# Altium PCB uTCA_MCH_PCB3.pcbdoc (part 21 of 25) (continued)
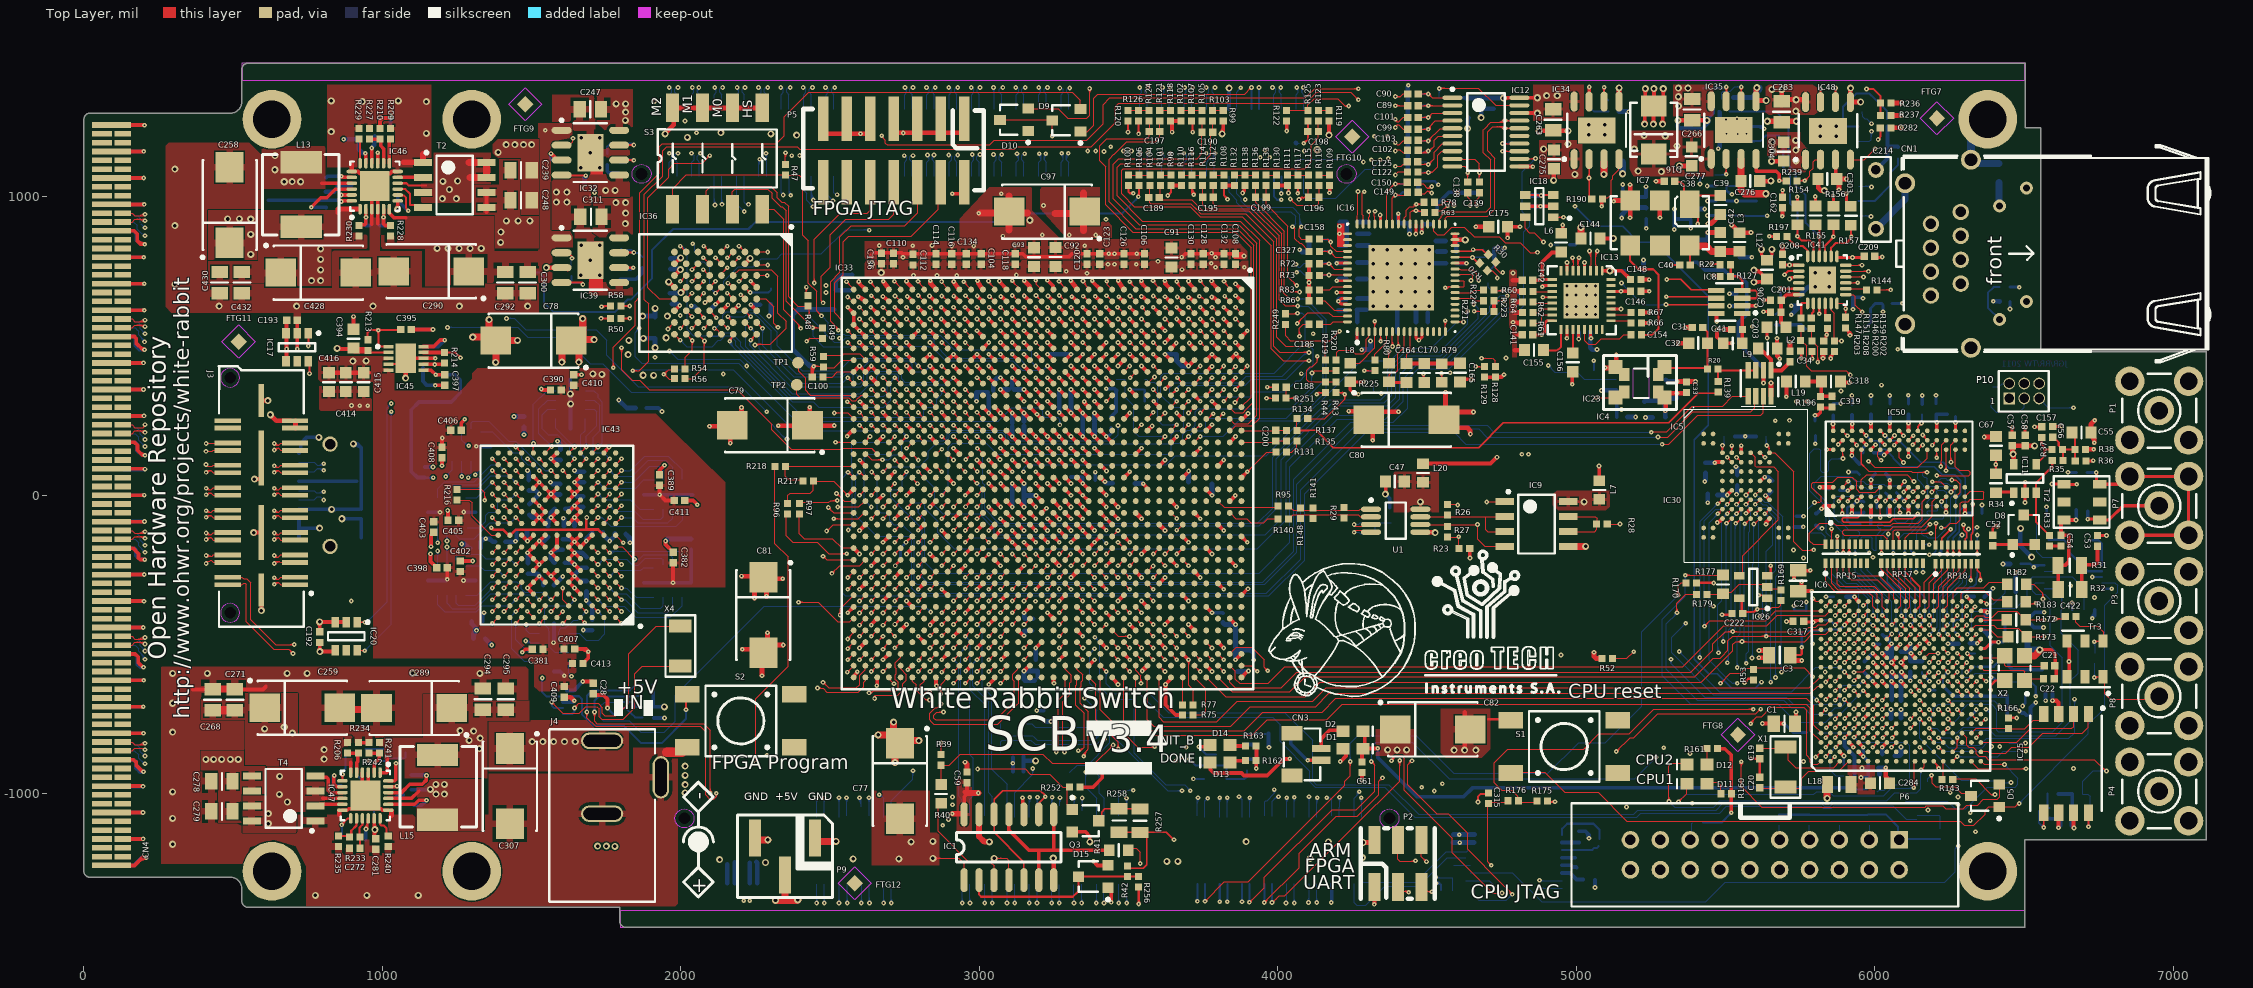
[diagram p0: Top Layer view]
## Nets (pads, with @x,y where several pads share a name; then routed paths per layer and width w, separated by ;. In a path a pad name is that pad's centre, name@x,y a point inside that pad or via, vN(x,y) a via of type N, cw(c..) or ccw(c..) an arc to the next point about the centre after c; other vN are vias at no path point) (continued)
Q2_Q21: IC33.AL24 IC43.F2 | length 1985.9
  Top Layer w3.94: IC43.F2@1742.13,-212.6 v1(1761.81,-232.28) ; v1@1755.91,-232.28 ccw(c1741.65,-232.28) 1751.73,-222.2 ccw(c1761.81,-212.12) v1@1761.81,-226.38 ; v1(2677.17,-236.22) IC33.AL24@2696.85,-216.54 ; v1@2677.17,-230.31 ccw(c2677.17,-216.06) 2687.25,-226.14 ccw(c2697.33,-236.22) v1@2683.07,-236.22
  MidLayer2 w3.94: v1@1761.81,-238.19 cw(c1761.81,-252.45) 1771.89,-242.37 cw(c1781.97,-232.28) v1@1767.72,-232.28 ; v1(1761.81,-232.28) 1784.27,-254.75 1808.19,-254.75 1872.34,-318.9 1933.25,-318.9 1951,-336.66 1951,-352.16 1955.06,-356.22 1967.24,-356.22 1971.3,-352.16 1971.3,-322.32 1975.35,-318.27 1987.53,-318.27 1991.59,-322.32 1991.59,-352.16 1995.65,-356.22 2007.82,-356.22 2011.88,-352.16 2011.88,-322.32 2015.94,-318.27 2028.11,-318.27 2032.17,-322.32 2032.17,-352.16 2036.23,-356.22 2048.4,-356.22 2052.46,-352.16 2052.46,-322.32 2056.52,-318.27 2068.69,-318.27 2072.75,-322.32 2072.75,-352.16 2076.81,-356.22 2088.99,-356.22 2093.04,-352.16 2093.04,-322.32 2097.1,-318.27 2109.28,-318.27 2113.34,-322.32 2113.34,-352.16 2117.39,-356.22 2129.57,-356.22 2133.63,-352.16 2133.63,-322.32 2137.68,-318.27 2149.86,-318.27 2153.92,-322.32 2153.92,-352.16 2157.98,-356.22 2170.15,-356.22 2174.21,-352.16 2174.21,-322.32 2178.27,-318.27 2190.44,-318.27 2194.5,-322.32 2194.5,-352.16 2198.56,-356.22 2210.73,-356.22 2214.79,-352.16 2214.79,-322.32 2218.85,-318.27 2225.82,-318.27 2229.76,-322.2 2229.76,-349.49 2238.86,-358.58 2253.35,-358.58 2260.24,-351.69 2260.24,-321.65 2263.62,-318.27 2271.61,-318.27 ; 2272.95,-319.61 2272.95,-349.45 2279.72,-356.22 2291.9,-356.22 2299.68,-348.43 2299.68,-322.64 2304.06,-318.27 2312.19,-318.27 2316.25,-322.32 2316.25,-352.16 2320.31,-356.22 2332.48,-356.22 2336.54,-352.16 2336.54,-322.32 2340.6,-318.27 2352.77,-318.27 2356.83,-322.32 2356.83,-352.16 2360.89,-356.22 2373.06,-356.22 2377.12,-352.16 2377.12,-322.32 2381.18,-318.27 2393.36,-318.27 2397.41,-322.32 2397.41,-328.54 2401.47,-332.6 2407.56,-332.6 2424.69,-315.47 2424.69,-309.73 2418.77,-303.81 2418.77,-298.07 2427.38,-289.46 2433.12,-289.46 2441.91,-298.25 2455.74,-312.08 2461.48,-312.08 2470.09,-303.47 2470.09,-297.74 2456.26,-283.9 2447.69,-275.34 2447.69,-269.6 2456.3,-260.99 2462.04,-260.99 2470.6,-269.55 2474.65,-273.6 2480.39,-273.6 2489,-264.99 2489,-259.25 ; 2487.82,-258.08 2487.82,-252.34 2498.66,-241.5 2615.51,-241.5 2629.11,-255.1 2658.29,-255.1 v1(2677.17,-236.22) v1@2677.16,-240.16 ; v1@2671.26,-236.22 cw(c2657,-236.22) 2667.08,-246.3 cw(c2677.17,-256.38) v1@2677.17,-242.13
Q2_Q22: IC33.AM23 IC43.G3 | length 1993.4
  Top Layer w3.94: IC43.G3@1702.76,-173.23 v1(1722.44,-192.91) ; v1@1716.54,-192.91 ccw(c1702.28,-192.91) 1712.36,-182.83 ccw(c1722.44,-172.75) v1@1722.44,-187.01 ; v1(2637.79,-196.85) IC33.AM23@2657.48,-177.17 ; v1@2637.79,-190.95 ccw(c2637.79,-176.69) 2647.88,-186.77 ccw(c2657.96,-196.85) v1@2643.7,-196.85
  MidLayer2 w3.94: v1@1716.54,-192.91 cw(c1702.28,-192.91) 1712.36,-203 cw(c1722.44,-213.08) v1@1722.44,-198.82 ; v1(1722.44,-192.91) 1704.72,-210.63 1704.72,-246.06 1712.6,-253.94 1734.25,-253.94 1740.16,-248.03 1740.16,-226.38 1756.71,-209.82 1825.32,-209.82 1827.57,-207.57 1837.48,-197.66 1845.65,-197.66 1850.39,-192.91 1860.24,-192.91 1864.8,-197.48 1864.8,-211.09 1861.4,-214.5 1861.4,-223.6 1868.11,-230.32 1874.28,-230.32 1882.02,-222.57 1889.37,-215.22 1895.11,-215.22 1903.72,-223.83 1903.72,-229.57 1899.24,-234.05 1899.24,-239.79 1903.54,-244.09 1925.2,-244.09 1935.04,-234.25 1941.13,-234.25 1945.18,-230.19 1945.18,-221.93 1949.24,-217.87 1961.42,-217.87 1965.48,-221.93 1965.48,-253.82 1969.53,-257.87 1981.71,-257.87 1985.77,-253.82 1985.77,-221.93 1989.83,-217.87 2002,-217.87 2006.06,-221.93 2006.06,-253.82 2010.12,-257.87 2022.29,-257.87 2026.35,-253.82 2026.35,-221.93 2030.41,-217.87 2042.58,-217.87 2046.64,-221.93 2046.64,-253.82 2050.7,-257.87 2062.87,-257.87 2066.93,-253.82 2066.93,-221.93 2070.99,-217.87 2083.17,-217.87 2087.22,-221.93 2087.22,-253.82 2091.28,-257.87 2103.46,-257.87 2107.52,-253.82 2107.52,-238.31 2111.57,-234.25 2123.75,-234.25 2127.81,-238.31 2127.81,-253.82 2131.86,-257.87 2144.04,-257.87 2148.1,-253.82 2148.1,-238.31 2152.16,-234.25 2164.92,-234.25 2168.98,-238.31 2168.98,-261.69 2173.04,-265.75 2185.21,-265.75 2189.27,-261.69 2189.27,-238.31 2193.33,-234.25 2205.51,-234.25 2209.56,-238.31 2209.56,-257.36 2217.95,-265.75 2225.8,-265.75 2229.85,-261.69 2229.85,-238.31 2233.91,-234.25 2246.09,-234.25 2250.15,-238.31 2250.15,-261.69 2254.2,-265.75 2266.38,-265.75 2270.44,-261.69 2270.44,-238.31 2274.5,-234.25 2286.67,-234.25 2290.73,-238.31 2290.73,-261.69 2294.79,-265.75 2306.96,-265.75 2311.02,-261.69 2311.02,-238.31 2315.08,-234.25 2327.25,-234.25 2331.31,-238.31 2331.31,-261.69 2335.37,-265.75 2347.54,-265.75 2351.6,-261.69 2351.6,-238.31 2355.66,-234.25 2367.84,-234.25 2371.89,-238.31 2371.89,-261.69 2375.95,-265.75 2388.13,-265.75 2392.19,-261.69 2392.19,-221.93 2396.24,-217.87 2408.42,-217.87 2412.48,-221.93 2412.48,-258.46 2416.53,-262.52 2428.71,-262.52 2432.77,-258.46 2432.77,-238.31 2436.83,-234.25 2446.85,-234.25 2458.03,-223.07 2607.64,-223.07 2633.86,-196.85 v1(2637.79,-196.85) ; 2620.99,-209.72 cw(c2637.79,-226.52) v1@2637.79,-202.76 ; 2627.71,-203 cw(c2637.79,-213.08) v1@2637.79,-198.82 ; 2630.5,-200.21 ccw(c2627.14,-196.85) v1@2631.89,-196.85
Q2_Q23: IC33.AM20 IC43.K3 | length 1984.9
  Top Layer w3.94: IC43.K3@1702.76,-55.12 v1(1722.44,-35.43) ; v1@1716.54,-35.43 cw(c1702.28,-35.43) 1712.36,-45.51 cw(c1722.44,-55.6) v1@1722.44,-41.34 ; v1(2637.8,-78.74) IC33.AM20@2657.48,-59.06 ; v1@2637.8,-72.83 ccw(c2637.8,-58.58) 2647.88,-68.66 ccw(c2657.96,-78.74) v1@2643.7,-78.74
  MidLayer2 w3.94: 1624.32,37.1 1620.08,41.34 1620.08,53.15 1627.95,61.02 1651.57,61.02 1663.39,49.21 1663.39,-0.29 1678.84,-15.75 1702.76,-15.75 v1(1722.44,-35.43) ; 1626,37.1 1631.11,31.99 1631.11,21.88 1626.04,16.81 1614.5,16.81 1609.43,11.73 1609.43,1.59 1614.5,-3.48 1627.21,-3.48 1632.28,-8.56 1632.28,-18.7 1627.21,-23.78 1623.86,-23.78 1620.08,-27.56 1620.08,-41.34 1635.83,-57.09 1651.11,-57.09 1660.89,-47.31 1671.03,-47.31 1680.81,-57.09 1764.07,-57.09 1779.53,-41.63 1779.53,-23.62 1787.4,-15.75 1807.09,-15.75 1828.11,5.28 1845.83,5.28 1866.14,25.59 1866.14,33.46 1881.26,48.58 1920.09,48.58 1925.16,53.66 1925.16,67.13 1930.23,72.2 1940.38,72.2 1945.45,67.13 1945.45,53.66 1950.53,48.58 1960.67,48.58 1965.74,53.66 1965.74,67.13 1970.82,72.2 1980.96,72.2 1986.04,67.13 1986.04,53.66 1991.11,48.58 2001.25,48.58 2006.33,53.66 2006.33,67.13 2011.4,72.2 2021.55,72.2 2026.62,67.13 2026.62,53.66 2031.69,48.58 2041.84,48.58 2046.91,53.66 2046.91,67.13 2051.98,72.2 2062.13,72.2 2067.2,67.13 2067.2,53.66 2072.27,48.58 2082.42,48.58 2087.49,53.66 2087.49,67.13 2092.57,72.2 2102.71,72.2 2107.78,67.13 2107.78,53.66 2112.86,48.58 2123,48.58 2128.08,53.66 2128.08,67.13 2133.15,72.2 2143.29,72.2 2148.37,67.13 2148.37,53.66 2153.44,48.58 2163.58,48.58 2168.66,53.66 2168.66,67.13 2173.73,72.2 2183.88,72.2 2188.95,67.13 2188.95,53.66 2194.02,48.58 2204.17,48.58 2209.24,53.66 2209.24,67.13 2214.31,72.2 2224.46,72.2 2229.53,67.13 2229.53,53.66 2234.6,48.58 2244.75,48.58 2249.82,53.66 2249.82,67.13 2254.9,72.2 2265.04,72.2 2270.11,67.13 2270.11,53.66 2275.19,48.58 2300.55,48.58 2306.97,55 2358.38,55 2397.64,15.75 2397.64,-23.62 2408.83,-34.81 2436.26,-34.81 2477.52,-76.08 2477.52,-93.66 2489.98,-106.12 2493.97,-106.12 2498.08,-110.24 2519.69,-110.24 2551.18,-78.74 v1(2637.8,-78.74) ; v1@1716.54,-35.43 ccw(c1702.28,-35.43) 1712.36,-25.35 ccw(c1722.44,-15.27) v1@1722.44,-29.53 ; v1@2633.62,-82.92 ccw(c2623.54,-92.99) 2623.54,-78.74 ccw(c2623.53,-64.48) v1@2633.62,-74.56
Q2_Q24: IC33.AN20 IC43.L2 | length 2009.7
  Top Layer w3.94: IC43.L2@1742.13,-15.75 v1(1761.81,3.94) ; v1@1755.91,3.94 cw(c1741.65,3.94) 1751.73,-6.14 cw(c1761.81,-16.23) v1@1761.81,-1.97 ; v1(2511.81,-78.74) 2594.49,-78.74 IC33.AN20@2616.14,-57.09 ; v1@2515.99,-82.92 cw(c2526.07,-93) 2526.07,-78.74 cw(c2526.07,-64.48) v1@2515.99,-74.56
  MidLayer2 w3.94: 1705.53,75.67 1715.44,65.77 1729.51,65.77 1740.16,55.12 1740.16,31.5 1748.03,23.62 1805.41,23.62 1820.87,39.08 1820.87,45.28 1868.11,92.52 1925.2,92.52 1930.12,97.44 1930.12,106.3 1922.24,114.17 1922.24,124.02 1929.13,130.91 1936.02,130.91 1939.96,126.97 1943.9,126.97 1958.66,141.73 1969.18,141.73 1974.25,146.81 1974.25,152.41 1979.32,157.48 1989.47,157.48 1994.54,152.41 1994.54,136.33 1999.61,131.26 2009.76,131.26 2014.83,136.33 2014.83,152.41 2019.9,157.48 2030.05,157.48 2035.12,152.41 2035.12,136.33 2040.2,131.26 2050.34,131.26 2055.41,136.33 2055.41,152.41 2060.49,157.48 2070.63,157.48 2075.71,152.41 2075.71,136.33 2080.78,131.26 2090.92,131.26 2096,136.33 2096,152.41 2101.07,157.48 2111.22,157.48 2116.29,152.41 2116.29,136.33 2121.36,131.26 2131.51,131.26 2136.58,136.33 2136.58,152.41 2141.65,157.48 2148.31,157.48 2156.87,148.92 2156.87,136.33 2161.94,131.26 2172.09,131.26 2177.16,136.33 2177.16,148.26 2186.38,157.48 2192.38,157.48 2197.45,152.41 2197.45,136.33 2202.53,131.26 2212.67,131.26 2217.74,136.33 2217.74,152.41 2222.82,157.48 2232.96,157.48 2238.04,152.41 2238.04,131.06 2243.11,125.98 2253.25,125.98 2258.33,131.06 2258.33,152.41 2263.4,157.48 2273.55,157.48 2278.62,152.41 2278.62,146.81 2283.69,141.73 2327.01,141.73 2347.32,121.42 2354.49,121.42 2366.81,133.73 2373.98,133.73 2381.15,126.56 2381.15,119.39 2365.25,103.49 2354.57,92.8 2354.57,85.62 2361.74,78.45 2368.91,78.45 2379.6,89.14 2395.5,105.04 2402.68,105.04 2409.85,97.86 2409.85,90.69 2393.95,74.79 2383.26,64.1 2383.26,56.93 2390.44,49.75 2397.61,49.75 2404.71,56.85 2411.88,56.85 2421.26,47.48 2421.26,7.58 2507.58,-78.74 v1(2511.81,-78.74) ; 1705.53,75.96 1700.79,80.71 1700.79,94.49 1692.91,102.36 1669.29,102.36 1663.39,96.46 1663.39,68.9 1669.29,62.99 1690.94,62.99 1702.76,51.18 1702.76,-0.29 1715.44,-12.97 1744.9,-12.97 v1(1761.81,3.94) ; v1@1755.91,3.94 cw(c1741.65,3.94) 1751.73,-6.14 cw(c1761.81,-16.23) v1@1761.81,-1.97 ; 2494.51,-65.67 ccw(c2511.81,-48.37) v1@2511.81,-72.83 ; 2501.23,-72.39 ccw(c2511.81,-61.81) v1@2511.81,-76.77
Q2_Q25: IC33.AN19 IC43.N3 | length 1967.1
  Top Layer w3.94: IC43.N3@1702.76,62.99 v1(1722.44,82.68) ; v1@1716.54,82.68 cw(c1702.28,82.68) 1712.36,72.6 cw(c1722.44,62.51) v1@1722.44,76.77 ; v1(2525.59,-39.37) 2596.46,-39.37 IC33.AN19@2614.17,-21.65 ; v1@2529.77,-43.55 cw(c2539.85,-53.63) 2539.85,-39.37 cw(c2539.85,-25.11) v1@2529.77,-35.19
  MidLayer2 w3.94: v1(1722.44,82.68) 1744.9,105.14 1744.9,129.05 1754.81,138.96 1774.43,138.96 1781.5,131.89 1781.5,117.82 1794.18,105.14 1808.19,105.14 1817.22,114.17 1832.68,114.17 1848.08,129.57 1848.08,136.75 1835.76,149.06 1835.76,156.23 1842.94,163.41 1850.11,163.41 1866.01,147.51 1881.91,131.61 ; v1@1722.44,88.58 ccw(c1722.44,102.84) 1732.52,92.76 ccw(c1742.6,82.68) v1@1728.35,82.68 ; 1882.17,131.61 1889.08,131.61 1896.26,138.78 1896.26,145.95 1880.36,161.85 1864.46,177.75 1864.46,184.93 1871.63,192.1 1878.81,192.1 1891.12,179.79 1898.29,179.79 1905.47,186.96 1905.47,194.14 1893.15,206.45 1893.15,213.62 1900.33,220.8 1907.5,220.8 1919.82,208.49 1926.99,208.49 1938.98,220.47 1959.8,220.47 1964.87,225.55 1964.87,242.96 1969.94,248.03 1980.09,248.03 1985.16,242.96 1985.16,225.55 1990.23,220.47 2000.38,220.47 2005.45,225.55 2005.45,242.96 2010.53,248.03 2020.67,248.03 2025.74,242.96 2025.74,225.55 2030.82,220.47 2040.96,220.47 2046.04,225.55 2046.04,242.96 2051.11,248.03 2061.25,248.03 2066.33,242.96 2066.33,225.55 2071.4,220.47 2077.48,220.47 2082.05,225.04 2082.05,238.39 2091.69,248.03 2101.84,248.03 2111.97,237.9 2111.97,225.24 2116.73,220.47 2122.13,220.47 2127.2,225.55 2127.2,242.96 2132.27,248.03 2142.42,248.03 2147.49,242.96 2147.49,225.55 2152.56,220.47 2162.71,220.47 2167.78,225.55 2167.78,242.96 2172.86,248.03 2183,248.03 2188.07,242.96 2188.07,225.55 2193.15,220.47 2203.29,220.47 2208.37,225.55 2208.37,242.96 2213.44,248.03 2223.58,248.03 2228.66,242.96 2228.66,225.55 2233.73,220.47 2243.88,220.47 2248.95,225.55 2248.95,242.96 2254.02,248.03 2264.17,248.03 2269.24,242.96 2269.24,225.55 2274.31,220.47 2290.51,220.47 2295.58,225.55 2295.58,239.2 2302.76,246.38 2309.92,246.38 2311.77,244.53 2311.77,198.15 2320.94,188.98 2331.09,188.98 2336.16,194.05 2336.16,215.4 2341.23,220.47 2346.46,220.47 2407.48,159.45 2407.48,147.64 2419.93,135.19 2427.1,135.19 ; 2427.19,135.29 2434.37,135.29 2441.54,128.11 2441.54,120.94 2437.86,117.26 2433.2,112.59 2433.2,105.42 2440.37,98.25 2447.55,98.25 2452.21,102.91 2455.89,106.59 2463.06,106.59 2470.24,99.41 2470.24,92.24 ; 2470.14,92.15 2470.14,84.97 2486.22,68.9 2486.22,63.82 2491.29,58.75 2500.83,58.75 2505.91,53.68 2505.91,43.53 2500.83,38.46 2491.29,38.46 2486.22,33.39 2486.22,0 v1(2525.59,-39.37) ; v1@2519.69,-39.37 ccw(c2505.43,-39.37) 2515.51,-29.29 ccw(c2525.59,-19.21) v1@2525.59,-33.46
Q2_Q26: IC33.AM18 IC43.P3 | length 2046.8
  Top Layer w3.94: IC43.P3@1702.76,102.36 v1(1722.44,122.05) ; v1@1716.54,122.05 cw(c1702.28,122.05) 1712.36,111.97 cw(c1722.44,101.88) v1@1722.44,116.14 ; v1(2637.8,0) IC33.AM18@2657.48,19.69 ; v1@2637.8,5.91 ccw(c2637.8,20.16) 2647.88,10.08 ccw(c2657.96,0) v1@2643.7,0
  MidLayer2 w3.94: v1(1722.44,122.05) 1744.1,143.7 1744.1,175.2 1759.84,190.94 1769.69,190.94 1779.18,200.44 1779.18,207.61 1772.05,214.74 1772.05,221.91 1779.22,229.09 1786.4,229.09 1797.11,218.37 1804.28,211.21 1811.45,211.21 1818.63,218.38 1818.63,225.55 1811.46,232.72 1800.75,243.44 1800.75,250.61 1807.92,257.78 1815.09,257.78 1825.81,247.07 1832.98,239.9 1840.15,239.9 1847.32,247.08 1847.32,254.25 1840.16,261.42 1829.44,272.13 1829.44,279.31 1836.62,286.48 1843.79,286.48 1850.92,279.35 1858.09,279.35 1871.34,292.6 1896.7,292.6 1901.78,287.53 1901.78,269.08 1906.85,264.01 1917,264.01 1922.07,269.08 1922.07,287.53 1931.79,297.24 1940.94,297.24 1944.88,293.31 2179.89,293.31 2194.75,308.17 2214.12,308.17 2228.9,293.39 ; v1@1722.44,127.95 ccw(c1722.44,142.21) 1732.52,132.13 ccw(c1742.6,122.05) v1@1728.35,122.05 ; 2229.24,293.31 2373.43,293.31 2463.87,202.87 2463.87,192.87 2444,173 2444,162 2447,159 2454,159 2487,192 2496,192 2501,187 2501,179 2467,145 2467,135 2471,131 2479,131 2511,163 2519,163 2524,158 2524,149 2491,116 2491,110 2497,104 2505,104 2536,135 2561,135 2565,131 2565,119 2562,116 2538,116 2516,94 2516,84 2518,82 2525,82 2546,103 2562,103 2564,101 2564,93 2561,90 2549.61,90 2534.61,75 2534.61,63.39 2540,58 2566,58 2575.55,48.45 2575.55,0.84 2591.16,-14.77 2612.63,-14.77 2628.03,0.63 ; 2614.61,-12.79 cw(c2632.39,-30.57) v1@2636.77,-5.82 ; 2619.95,-7.45 cw(c2633.99,-21.49) v1@2637.45,-1.94 ; 2625.29,-2.11 cw(c2635.6,-12.41) v1@2638.14,1.94 ; v1@2632.34,-2.25 ccw(c2628.03,-4.03) 2628.03,0.63 ; v1@2632.86,3.24 cw(c2628.03,6.4) 2628.03,0.63 ; v1@2636.22,0.63 2628.03,0.63
Q2_Q27: IC33.AN25 IC43.B1 | length 1986.3
  Top Layer w3.94: IC43.B1@1781.5,-370.08 v1(1801.18,-389.76) ; v1@1795.28,-389.76 ccw(c1781.02,-389.76) 1791.1,-379.68 ccw(c1801.18,-369.6) v1@1801.18,-383.86 ; v1(2598.42,-275.59) IC33.AN25@2618.11,-255.91 ; v1@2598.42,-269.69 ccw(c2598.42,-255.43) 2608.51,-265.51 ccw(c2618.59,-275.59) v1@2604.33,-275.59
  MidLayer2 w3.94: v1@1801.18,-395.67 cw(c1801.18,-409.93) 1811.26,-399.85 cw(c1821.34,-389.76) v1@1807.09,-389.76 ; v1(1801.18,-389.76) 1815.33,-403.91 1821.07,-403.91 1826.46,-398.51 1832.2,-398.51 1840.81,-407.12 1840.81,-412.86 1832.55,-421.13 1824.28,-429.39 1824.28,-435.13 1832.89,-443.74 1838.63,-443.74 1844.38,-437.99 1849.41,-437.99 1899.61,-488.19 1905.69,-488.19 1909.75,-484.13 1909.75,-464.06 1913.81,-460 1925.99,-460 1930.04,-464.06 1930.04,-519.56 1934.1,-523.62 1946.28,-523.62 1950.33,-519.56 1950.33,-492.25 1954.39,-488.19 1966.57,-488.19 1970.63,-492.25 1970.63,-519.56 1974.68,-523.62 1986.86,-523.62 1990.92,-519.56 1990.92,-481.87 1994.98,-477.81 2007.15,-477.81 2011.21,-481.87 2011.21,-519.56 2015.27,-523.62 2027.44,-523.62 2031.5,-519.56 2031.5,-492.25 2035.56,-488.19 2047.73,-488.19 2051.79,-492.25 2051.79,-519.56 2055.85,-523.62 2068.02,-523.62 2072.08,-519.56 2072.08,-492.25 2076.14,-488.19 2088.32,-488.19 2092.37,-492.25 2092.37,-519.56 2096.43,-523.62 2108.61,-523.62 2112.66,-519.56 2112.66,-492.25 2116.72,-488.19 2128.9,-488.19 2132.96,-492.25 2132.96,-519.56 2137.01,-523.62 2149.19,-523.62 2153.25,-519.56 2153.25,-492.25 2157.31,-488.19 2169.48,-488.19 2173.54,-492.25 2173.54,-519.56 2177.6,-523.62 2185.43,-523.62 2190.91,-518.15 2190.91,-495.17 2197.89,-488.19 2210.06,-488.19 2218.7,-496.83 2218.7,-518.27 2224.05,-523.62 2230.35,-523.62 2234.41,-519.56 2234.41,-492.25 2238.47,-488.19 2250.65,-488.19 2254.7,-492.25 2254.7,-519.56 2258.76,-523.62 2270.94,-523.62 2275,-519.56 2275,-492.25 2279.05,-488.19 2291.23,-488.19 2295.29,-492.25 2295.29,-519.56 2299.34,-523.62 2311.52,-523.62 2315.58,-519.56 2315.58,-492.25 2319.64,-488.19 2324.33,-488.19 2329.68,-493.54 2329.68,-518.46 2334.84,-523.62 2352.1,-523.62 2356.16,-519.56 2356.16,-492.25 2360.22,-488.19 2372.39,-488.19 2376.45,-492.25 2376.45,-519.56 2380.51,-523.62 2392.68,-523.62 2396.74,-519.56 2396.74,-492.25 2400.8,-488.19 2417.32,-488.19 2428.52,-476.99 2428.52,-471.26 2426.7,-469.44 2426.7,-463.7 2435.31,-455.09 2441.05,-455.09 2445.73,-459.78 2451.22,-465.26 2456.96,-465.26 2465.56,-456.65 2465.56,-450.91 2462.95,-448.3 2462.95,-442.56 2470.47,-435.04 2470.47,-402.79 2486.14,-387.12 2486.14,-372.13 2541.87,-316.4 2541.87,-305.75 2555.12,-292.5 2581.51,-292.5 v1(2598.42,-275.59) ; v1@2592.52,-275.59 cw(c2578.26,-275.59) 2588.34,-285.67 cw(c2598.42,-295.75) v1@2598.42,-281.5
Q2_Q28: IC33.AP25 IC43.C2 | length 1989.7
  Top Layer w3.94: IC43.C2@1742.13,-330.71 v1(1761.81,-350.39) ; v1@1755.91,-350.39 ccw(c1741.65,-350.39) 1751.73,-340.31 ccw(c1761.81,-330.23) v1@1761.81,-344.49 ; v1(2559.05,-275.59) IC33.AP25@2578.74,-255.91 ; v1@2559.05,-269.69 ccw(c2559.05,-255.43) 2569.14,-265.51 ccw(c2579.22,-275.59) v1@2564.96,-275.59
  MidLayer2 w3.94: v1@1758.27,-345.67 ccw(c1752.95,-338.58) 1761.81,-338.58 ; v1(1761.81,-350.39) 1761.81,-338.58 ; v1@1765.35,-345.67 cw(c1770.67,-338.58) 1761.81,-338.58 ; 2316.77,-478.62 2306.85,-478.62 2304.92,-476.69 2304.92,-453.82 2297.76,-446.65 2284.92,-446.65 2277.13,-454.45 2277.13,-474.76 2273.54,-478.35 2264.21,-478.35 2260.15,-474.29 2260.15,-454.85 2256.09,-450.79 2243.92,-450.79 2239.86,-454.85 2239.86,-474.29 2235.8,-478.35 2223.63,-478.35 2219.57,-474.29 2219.57,-454.85 2215.51,-450.79 2203.34,-450.79 2199.28,-454.85 2199.28,-474.29 2195.22,-478.35 2183.05,-478.35 2178.99,-474.29 2178.99,-454.85 2174.93,-450.79 2162.75,-450.79 2158.7,-454.85 2158.7,-474.29 2154.64,-478.35 2142.46,-478.35 2138.41,-474.29 2138.41,-454.85 2134.35,-450.79 2122.17,-450.79 2118.11,-454.85 2118.11,-474.29 2114.06,-478.35 2101.88,-478.35 2097.82,-474.29 2097.82,-454.85 2093.76,-450.79 2081.59,-450.79 2077.53,-454.85 2077.53,-474.29 2073.47,-478.35 2061.3,-478.35 2057.24,-474.29 2057.24,-454.85 2053.18,-450.79 2041.01,-450.79 2036.95,-454.85 2036.95,-474.29 2032.89,-478.35 2020.72,-478.35 2016.66,-474.29 2016.66,-454.85 2012.6,-450.79 1970.14,-450.79 1966.08,-454.85 1966.08,-470.35 1962.02,-474.41 1949.85,-474.41 1945.79,-470.35 1945.79,-431.22 1941.73,-427.17 1929.56,-427.17 1925.5,-431.22 1925.5,-446.73 1921.44,-450.79 1915.35,-450.79 1909.96,-445.39 1904.22,-445.39 1893.25,-456.35 1887.51,-456.35 1878.9,-447.74 1878.9,-442 1902.08,-418.83 1902.08,-413.09 1893.48,-404.48 1887.74,-404.48 1864.56,-427.66 1858.82,-427.66 1850.21,-419.05 1850.21,-413.31 1873.36,-390.16 1873.36,-384.42 1864.75,-375.81 1859.01,-375.81 1852.56,-382.26 1846.82,-382.26 1834.65,-370.08 1791.34,-370.08 1781.5,-360.24 1781.5,-299.21 1773.62,-291.34 1751.97,-291.34 1742.13,-301.18 1742.13,-318.9 1761.81,-338.58 ; 2316.97,-478.35 2321.03,-474.29 2321.03,-454.85 2325.09,-450.79 2337.26,-450.79 2341.32,-454.85 2341.32,-474.29 2345.38,-478.35 2357.55,-478.35 2361.61,-474.29 2361.61,-430.59 2365.67,-426.54 2377.84,-426.54 2381.9,-430.59 2381.9,-468.51 2385.83,-472.44 2399.61,-472.44 2403.54,-468.5 2403.54,-432.32 2410.01,-425.86 2415.75,-425.86 2435.78,-445.88 2441.52,-445.88 2450.13,-437.27 2450.13,-431.53 2436.38,-417.79 2436.38,-412.05 2441.31,-407.11 2453.12,-407.11 2476.93,-383.31 2476.93,-365.59 2532.66,-309.86 2532.66,-301.93 v1@2559,-275.59 ; 2548.88,-285.71 cw(c2559.05,-295.89) v1@2559.05,-281.5 ; 2549.01,-285.58 ccw(c2539.02,-275.59) v1@2553.15,-275.59
Q2_Q29: IC33.AN24 IC43.E1 | length 1960.4
  Top Layer w3.94: IC43.E1@1781.5,-251.97 v1(1801.18,-271.65) ; v1@1795.28,-271.65 ccw(c1781.02,-271.65) 1791.1,-261.57 ccw(c1801.18,-251.49) v1@1801.18,-265.75 ; v1(2505.91,-261.81) 2531.49,-236.22 2598.42,-236.22 IC33.AN24@2618.11,-216.54 ; v1@2505.91,-255.91 ccw(c2505.91,-241.65) 2515.99,-251.73 ccw(c2526.07,-261.81) v1@2511.81,-261.81
  MidLayer2 w3.94: v1(1801.18,-271.65) 1808.31,-271.65 1808.31,-274.84 1812.24,-274.84 ; v1@1806.98,-270.51 ccw(c1812.24,-269.47) 1812.24,-274.84 ; v1@2500,-261.81 cw(c2485.74,-261.81) 2495.82,-271.89 cw(c2505.91,-281.97) v1@2505.91,-267.72 ; v1(2505.91,-261.81) 2492.13,-275.59 2492.13,-295.28 2481.92,-305.49 2481.92,-311.22 2487.38,-316.69 2487.38,-322.43 2478.77,-331.04 2473.03,-331.04 2464.83,-322.83 2446.85,-322.83 2444.88,-324.8 2444.88,-331.58 2458.68,-345.39 2458.68,-351.12 2450.08,-359.73 2444.34,-359.73 2436,-351.4 2422.17,-337.57 2416.43,-337.57 2407.82,-346.17 2407.82,-351.91 2421.26,-365.35 2421.26,-370.08 2417.32,-374.02 2397.46,-374.02 2393.4,-378.07 2393.4,-401.45 2389.34,-405.51 2377.16,-405.51 2373.11,-401.45 2373.11,-369.49 2369.05,-365.43 2356.87,-365.43 2352.82,-369.49 2352.82,-401.45 2348.76,-405.51 2336.58,-405.51 2332.52,-401.45 2332.52,-369.49 2328.47,-365.43 2316.29,-365.43 2312.23,-369.49 2312.23,-401.45 2308.17,-405.51 2296,-405.51 2291.94,-401.45 2291.94,-369.49 2287.88,-365.43 2275.71,-365.43 2271.65,-369.49 2271.65,-401.45 2267.59,-405.51 2255.42,-405.51 2251.36,-401.45 2251.36,-374.27 2246.93,-369.84 2234.25,-369.84 2231.07,-373.03 2231.07,-401.45 2227.01,-405.51 2214.83,-405.51 2210.78,-401.45 2210.78,-369.49 2206.72,-365.43 2194.54,-365.43 2190.48,-369.49 2190.48,-401.45 2186.43,-405.51 2174.25,-405.51 2170.19,-401.45 2170.19,-369.49 2166.14,-365.43 2153.96,-365.43 2149.9,-369.49 2149.9,-401.45 2145.84,-405.51 2133.67,-405.51 2129.61,-401.45 2129.61,-369.49 2125.55,-365.43 2113.38,-365.43 2109.32,-369.49 2109.32,-401.45 2105.26,-405.51 2093.09,-405.51 2089.03,-401.45 2089.03,-369.49 2084.97,-365.43 2072.8,-365.43 2068.74,-369.49 2068.74,-401.45 2064.68,-405.51 2052.5,-405.51 2048.45,-401.45 2048.45,-369.49 2044.39,-365.43 2032.21,-365.43 2028.15,-369.49 2028.15,-401.45 2024.1,-405.51 2011.92,-405.51 2007.86,-401.45 2007.86,-369.49 2003.8,-365.43 1991.63,-365.43 1987.57,-369.49 1987.57,-401.45 1983.51,-405.51 1971.34,-405.51 1967.28,-401.45 1967.28,-378.07 1963.22,-374.02 1954.72,-374.02 1913.39,-332.68 1889.28,-332.68 1879.68,-342.28 1873.94,-342.28 1862.98,-353.24 1857.24,-353.24 1848.63,-344.63 1848.63,-338.89 1859.59,-327.93 1859.59,-322.19 1850.98,-313.58 1845.24,-313.58 1843.35,-315.48 1837.61,-315.48 1829,-306.87 1829,-301.13 1830.89,-299.23 1830.89,-293.49 1812.24,-274.84
Q2_Q30: IC33.AK23 IC43.F1 | length 1980.3
  Top Layer w3.94: IC43.F1@1781.5,-212.6 v1(1801.18,-232.28) ; v1@1795.28,-232.28 ccw(c1781.02,-232.28) 1791.1,-222.2 ccw(c1801.18,-212.12) v1@1801.18,-226.38 ; v1(2716.53,-196.85) IC33.AK23@2736.22,-177.17 ; v1@2716.53,-190.95 ccw(c2716.53,-176.69) 2726.62,-186.77 ccw(c2736.7,-196.85) v1@2722.44,-196.85
  MidLayer2 w3.94: v1(1801.18,-232.28) 1842.52,-232.28 1852.73,-242.49 1858.47,-242.49 1861.48,-239.48 1867.22,-239.48 1875.83,-248.09 1875.83,-253.83 1869.95,-259.71 1853.33,-276.33 1853.33,-282.07 1861.94,-290.68 1867.68,-290.68 1881.43,-276.93 1887.17,-276.93 1891.73,-281.5 1897.82,-281.5 1901.88,-277.44 1901.88,-258 1905.94,-253.94 1918.11,-253.94 1922.17,-258 1922.17,-305 1926.23,-309.06 1938.4,-309.06 1942.46,-305 1942.46,-264.12 1946.52,-260.06 1958.69,-260.06 1962.75,-264.12 1962.75,-283.31 1958.66,-287.4 1958.66,-303.54 1966.14,-311.02 1979.92,-311.02 1988.58,-302.36 1988.58,-287.8 1984.25,-283.46 1984.25,-268.19 1987.1,-265.34 1999.28,-265.34 2003.33,-269.4 2003.33,-305 2007.39,-309.06 2019.57,-309.06 2023.63,-305 2023.63,-269.4 2027.68,-265.34 2039.86,-265.34 2043.92,-269.4 2043.92,-305 2047.98,-309.06 2060.15,-309.06 2064.21,-305 2064.21,-269.4 2068.27,-265.34 2080.44,-265.34 2084.5,-269.4 2084.5,-305 2088.56,-309.06 2100.73,-309.06 2104.79,-305 2104.79,-269.4 2108.85,-265.34 2121.02,-265.34 2125.08,-269.4 2125.08,-305 2129.14,-309.06 2141.32,-309.06 2145.37,-305 2145.37,-271.4 2149.43,-267.34 2161.61,-267.34 2165.66,-271.4 2165.66,-305 2169.72,-309.06 2181.9,-309.06 2185.96,-305 2185.96,-290.11 2190.91,-285.16 2202.95,-285.16 2206.25,-288.45 2206.25,-305 2210.31,-309.06 2222.48,-309.06 2226.54,-305 2226.54,-285.55 2230.6,-281.5 2242.77,-281.5 2246.83,-285.55 2246.83,-305 2250.89,-309.06 2263.06,-309.06 2267.12,-305 2267.12,-285.55 2271.18,-281.5 2283.35,-281.5 2287.41,-285.55 2287.41,-305 2291.47,-309.06 2303.65,-309.06 2307.7,-305 2307.7,-285.55 2311.76,-281.5 2323.94,-281.5 2328,-285.55 2328,-305 2332.05,-309.06 2344.23,-309.06 2348.29,-305 2348.29,-292.15 2358.94,-281.5 2364.52,-281.5 2368.58,-285.55 2368.58,-305 2372.64,-309.06 2384.81,-309.06 2388.87,-305 2388.87,-285.55 2392.93,-281.5 2422.76,-281.5 2441.98,-262.28 2460.87,-243.39 2471.93,-243.39 2483.03,-232.28 2610.24,-232.28 2625.98,-216.54 2696.85,-216.54 v1(2716.53,-196.85) ; v1@1805.36,-236.46 cw(c1815.44,-246.54) 1815.44,-232.28 cw(c1815.44,-218.03) v1@1805.36,-228.11 ; v1@2710.63,-196.85 cw(c2696.37,-196.85) 2706.45,-206.93 cw(c2716.53,-217.01) v1@2716.53,-202.76